# Altium PCB OctopusPB_r0102.PcbDoc (part 1 of 10)
Units mm, origin at the board's own origin, x right, y up, seen from the top; angles counter-clockwise.
Board outline 318 x 80 mm, 4 copper layers (Top Layer, Layer 1, Layer 2, Bottom Layer), stack 1.62 mm thick; 806 components, 346 nets, 2957 pads, 6733 vias.
Unrouted connection lines stored in the file: 1143.
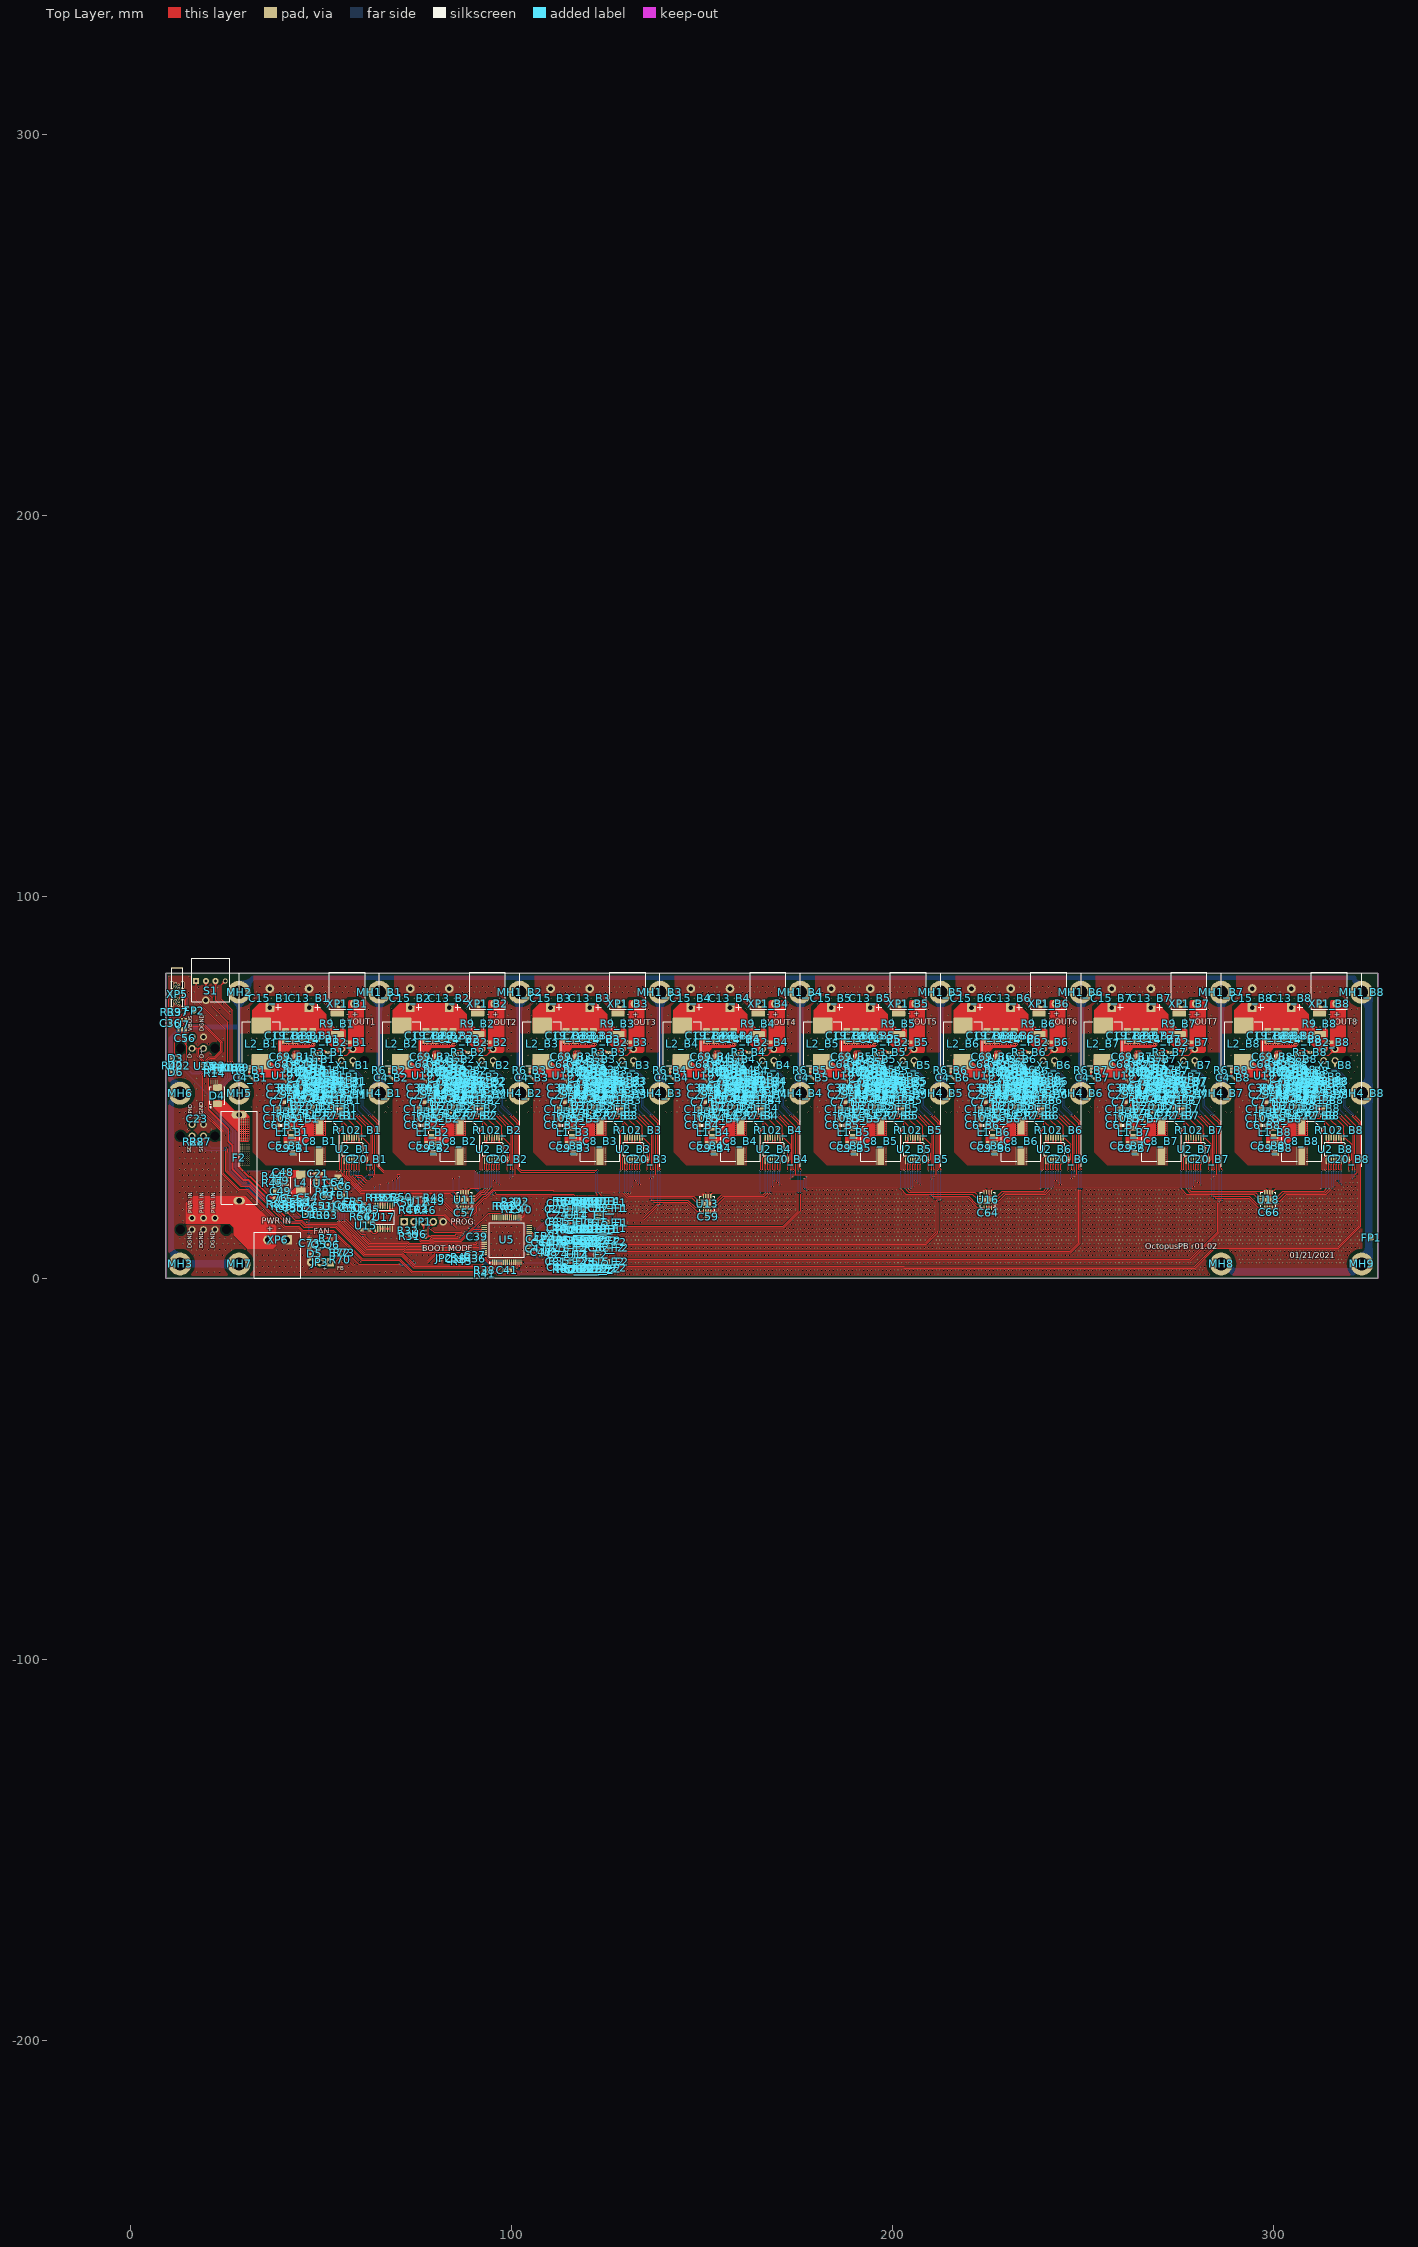
[diagram p0: Top Layer view]
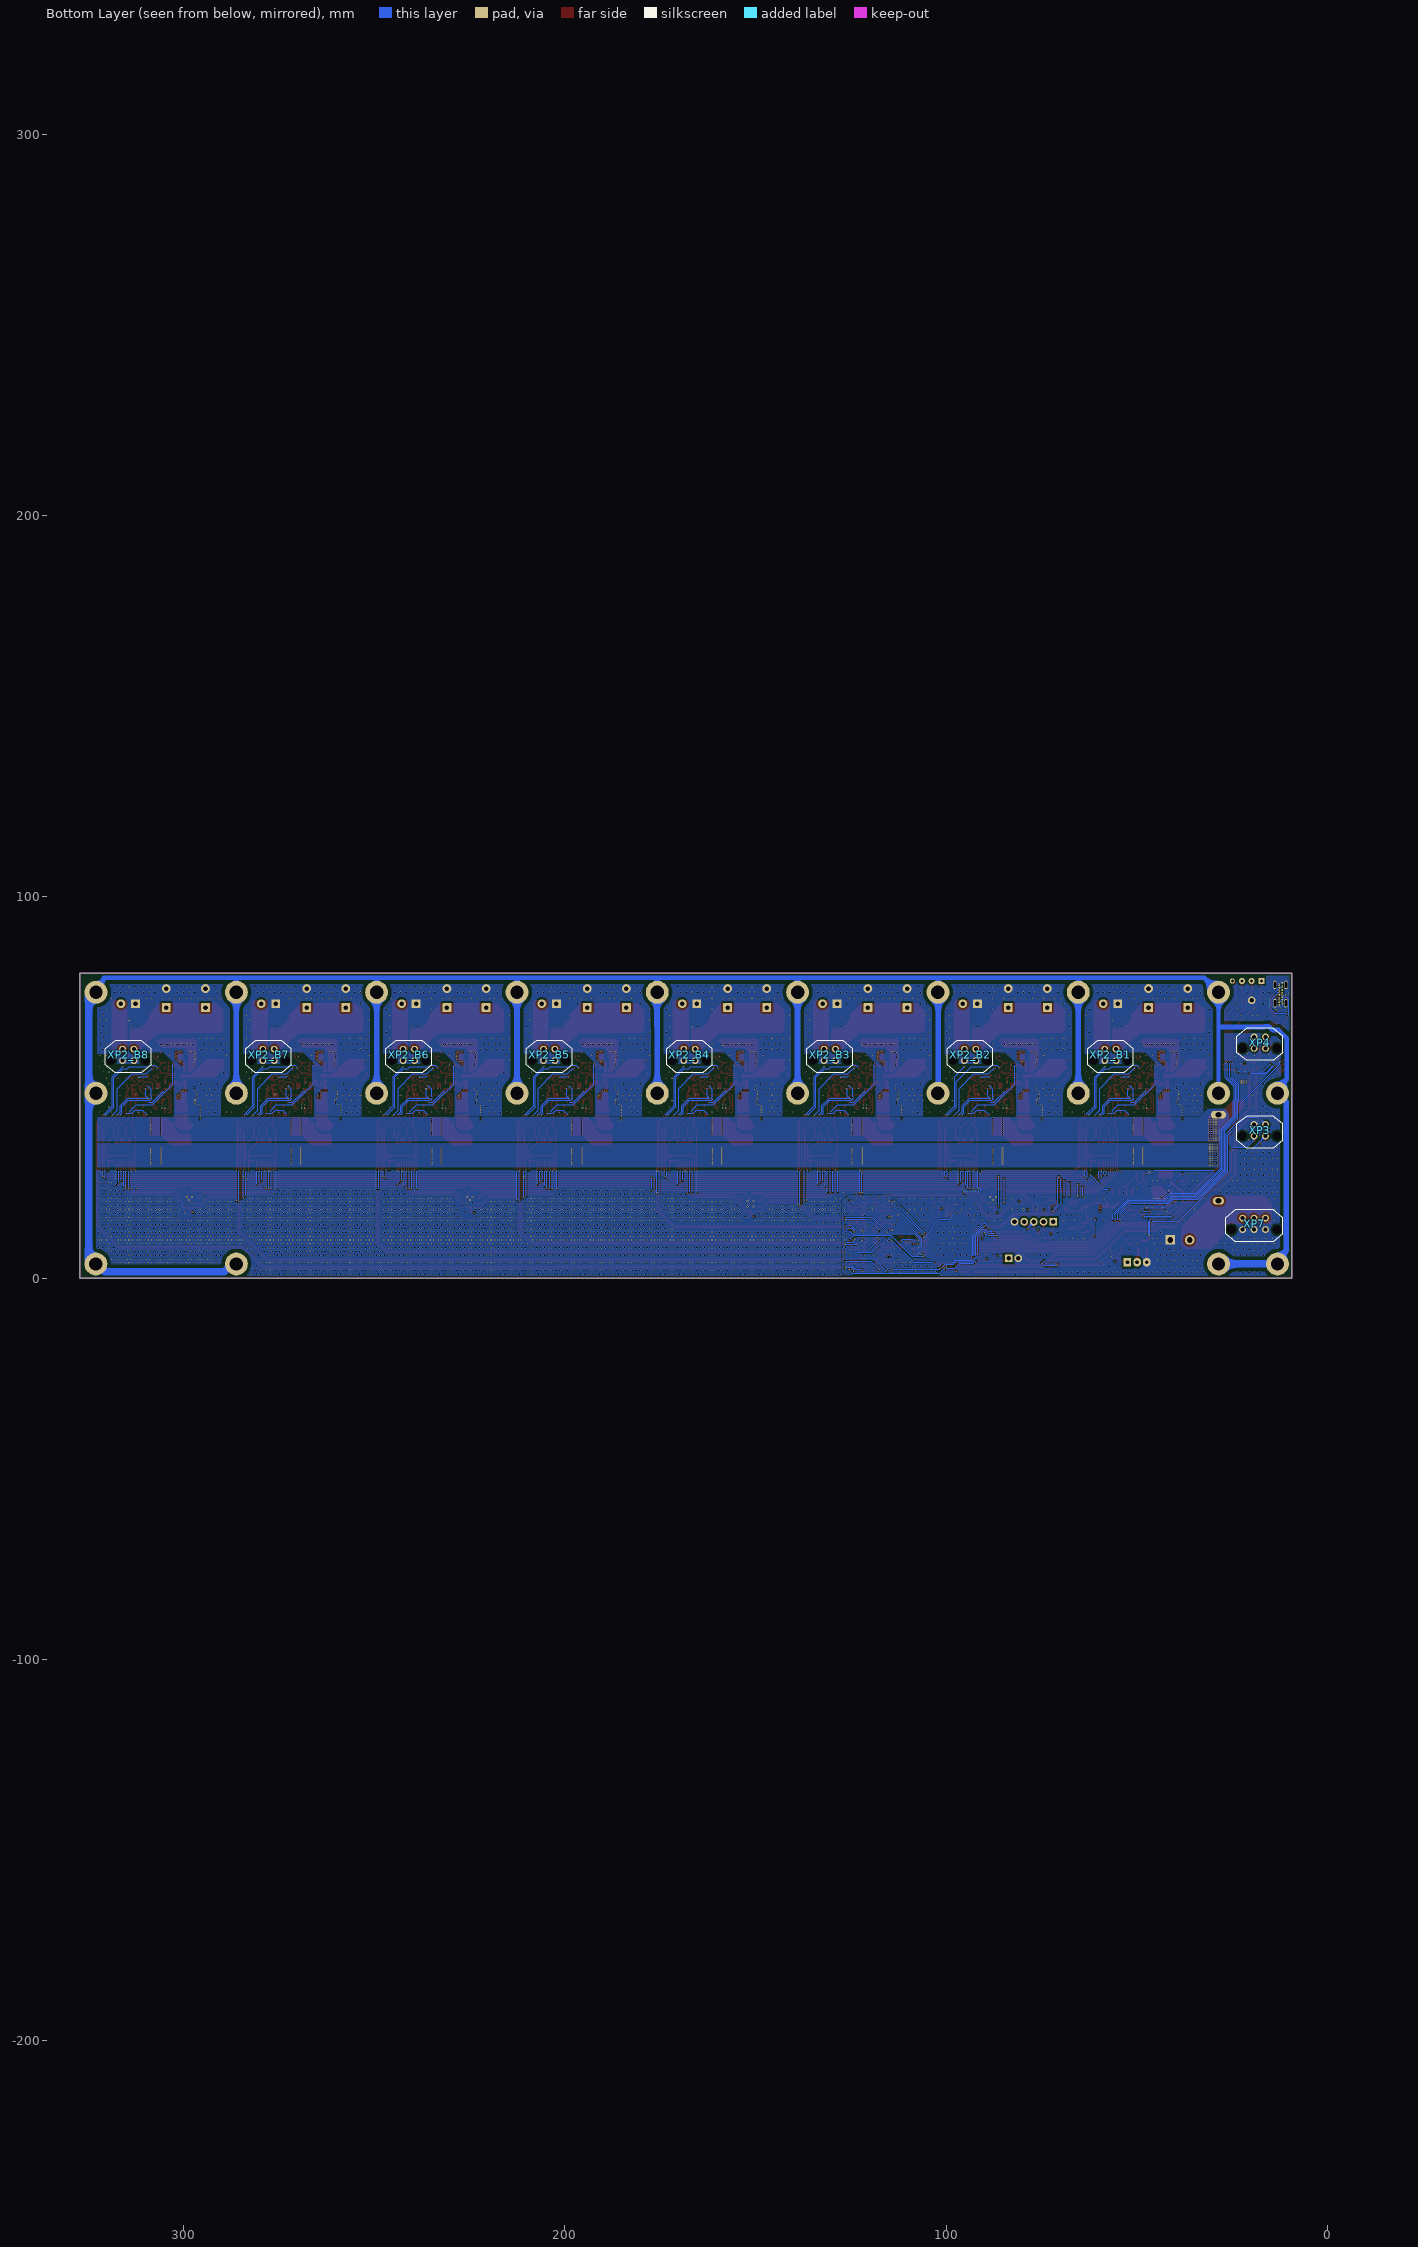
[diagram p1: Bottom Layer view, seen from below]
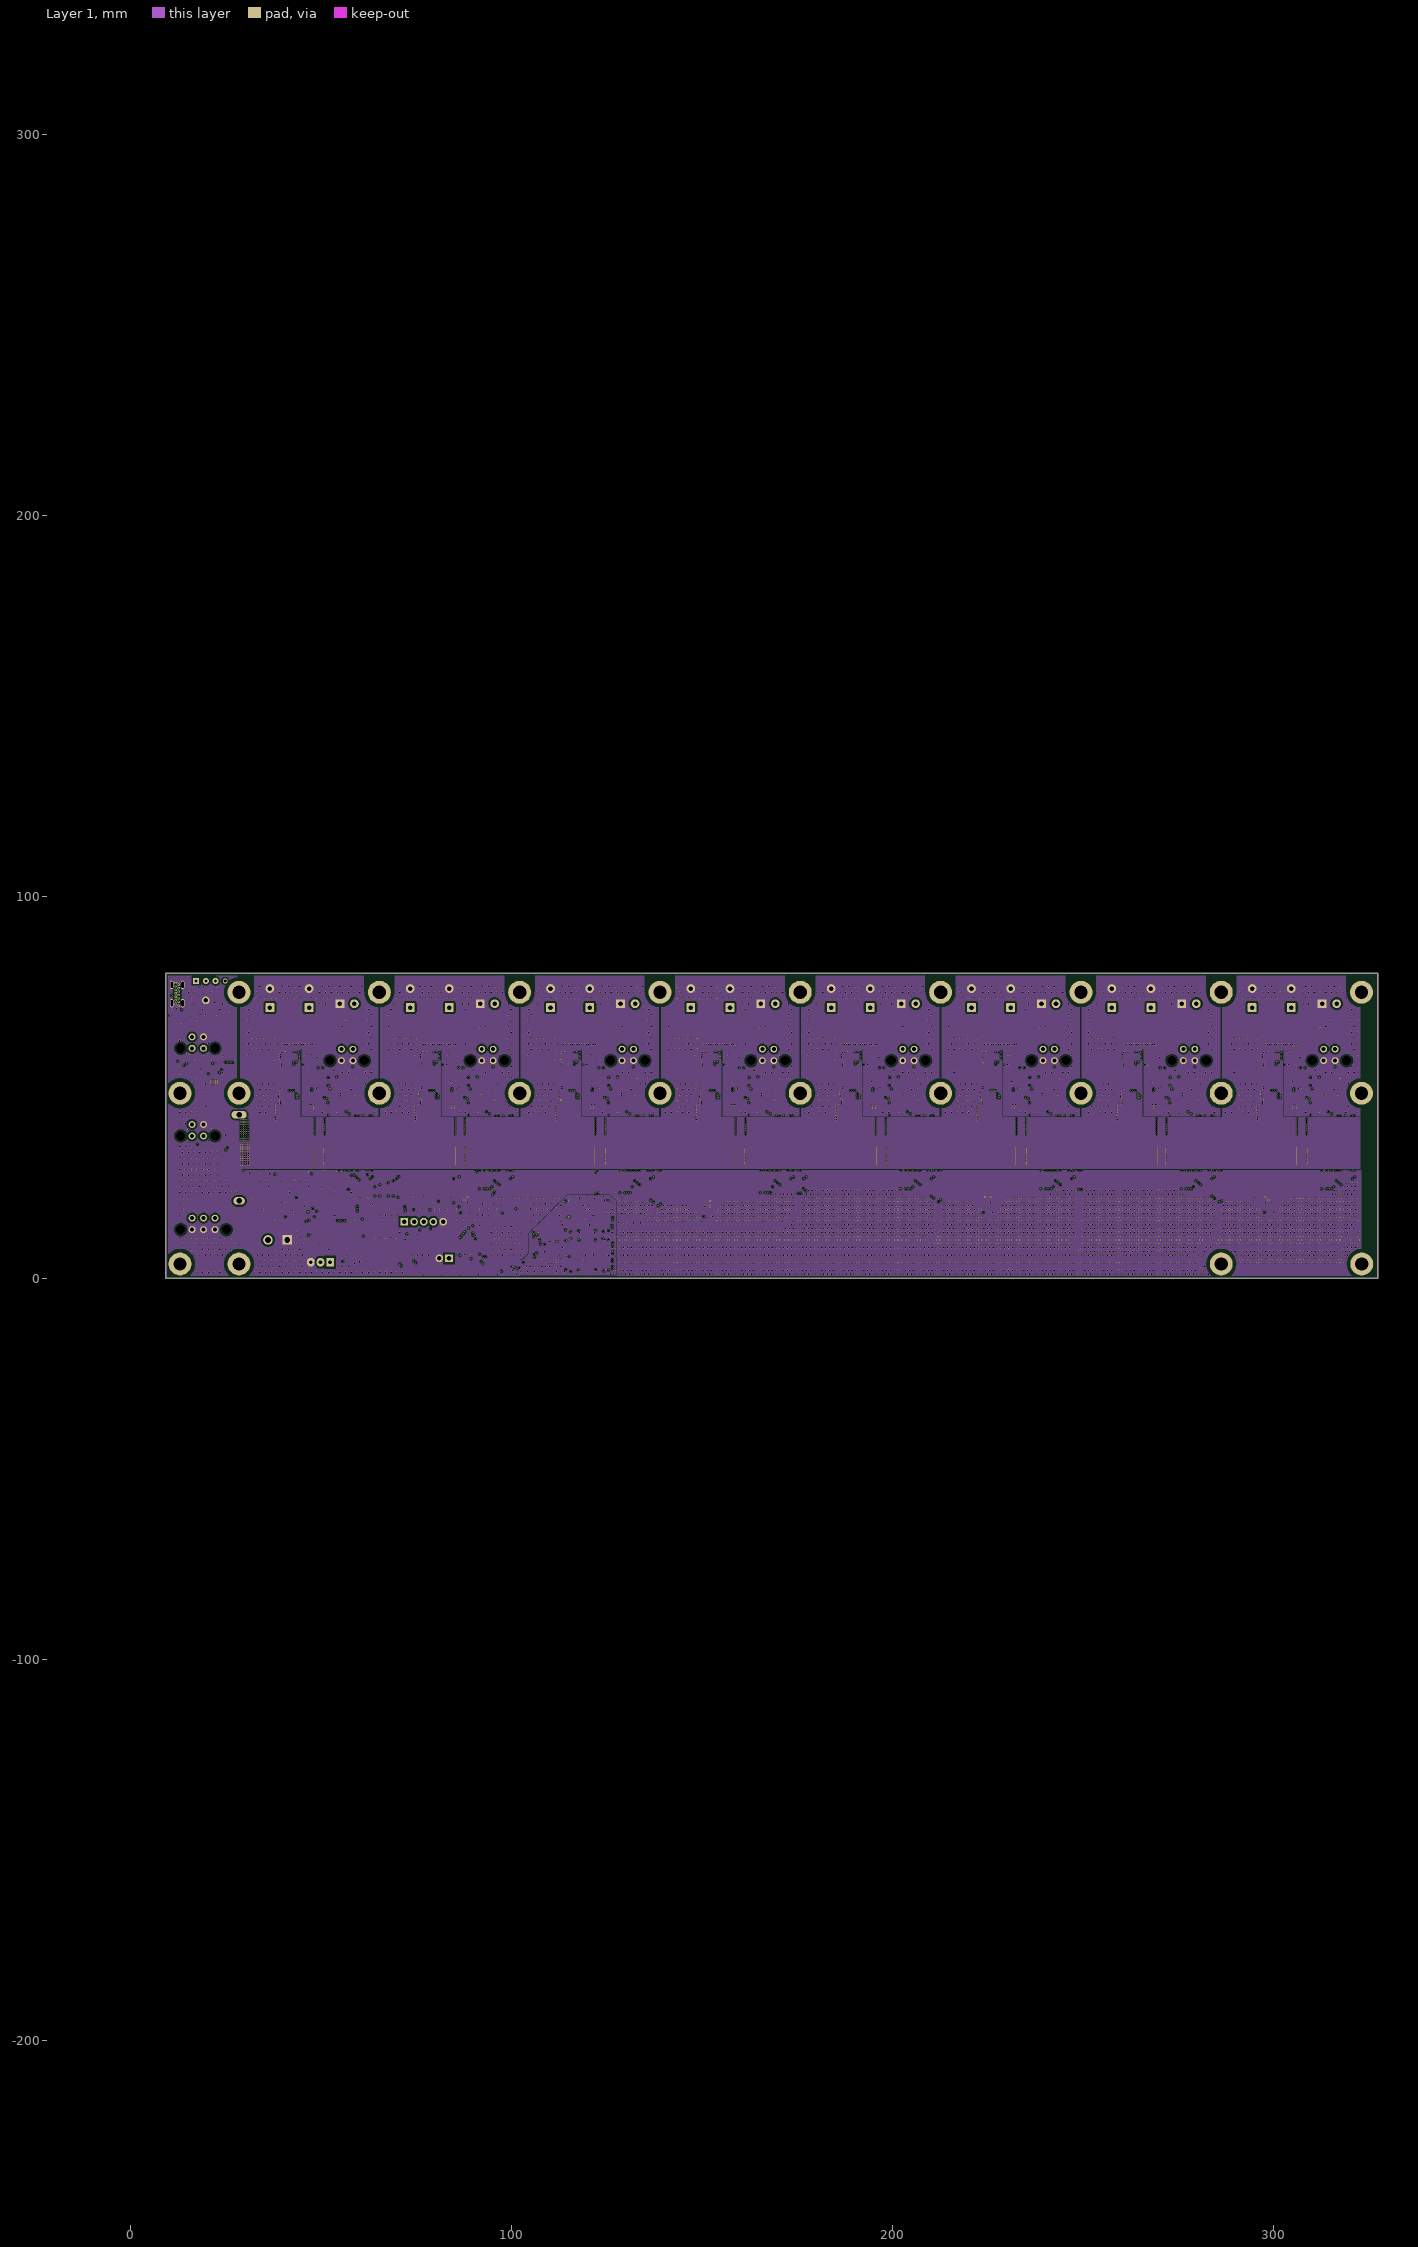
[diagram p2: Layer 1]
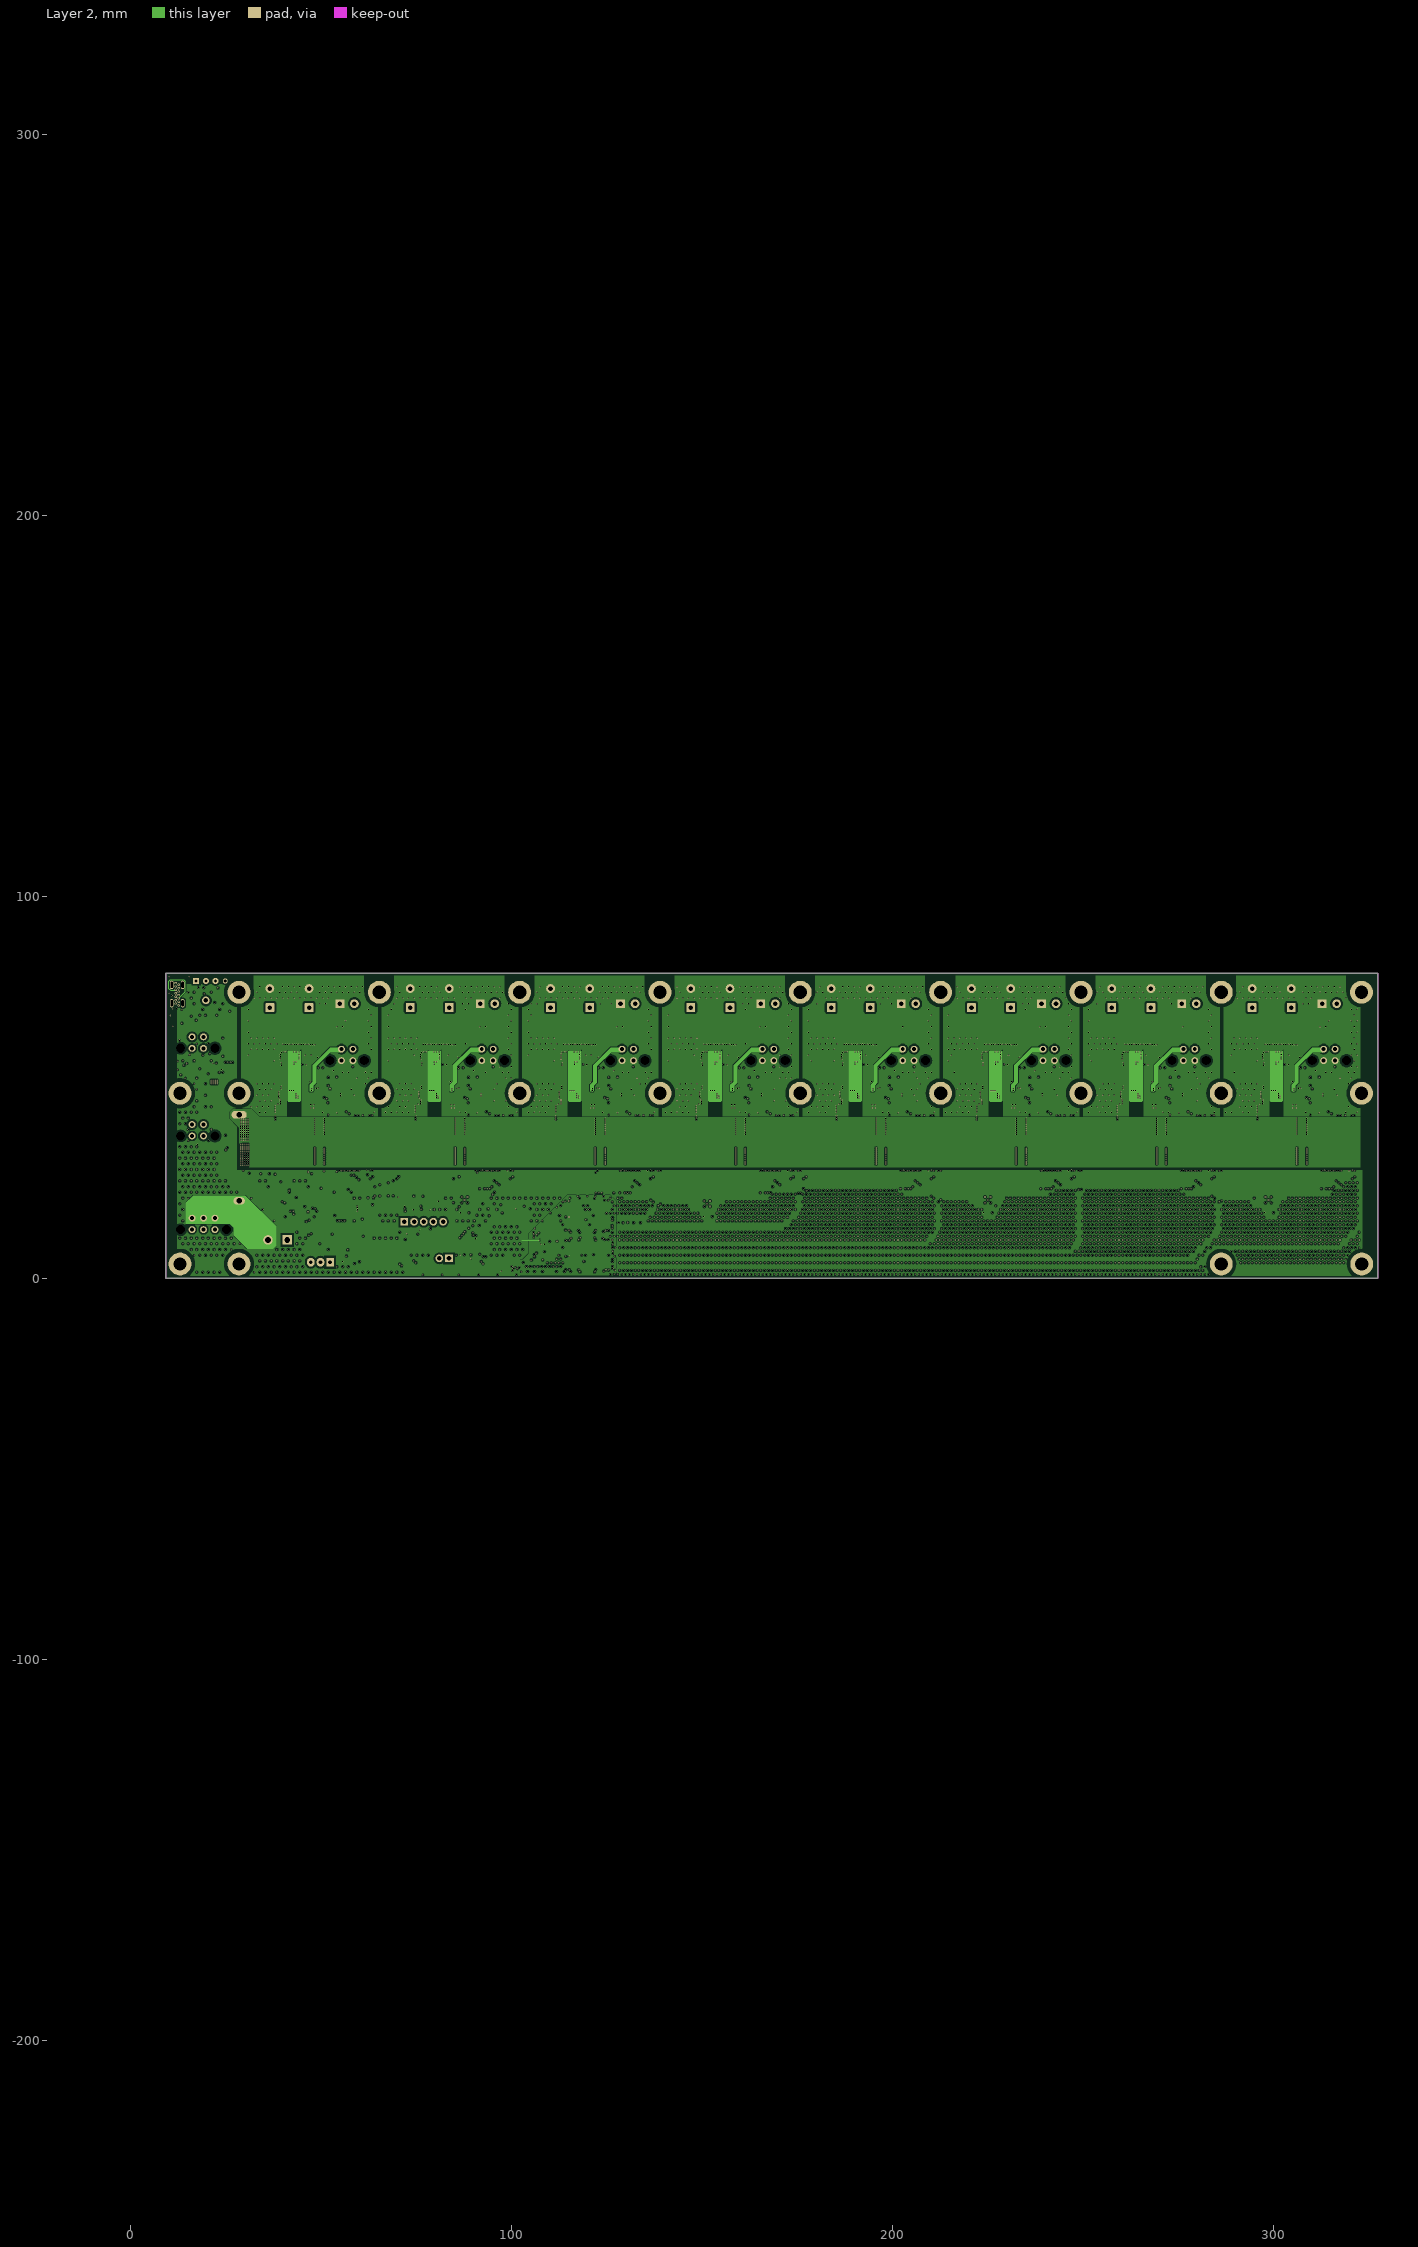
[diagram p3: Layer 2]

## Layer stack, top to bottom
Top Solder: solder mask 0.0102, Solder Resist, Dk 3.5
Top Layer: signal copper 0.07
Dielectric 4: prepreg 0.11, PCL-370HR, Dk 4.29
Layer 1: signal copper 0.03
Dielectric 1: core 1.2, Core-009, Dk 4.29
Layer 2: signal copper 0.03
Dielectric 5: prepreg 0.11, PCL-370HR, Dk 4.29
Bottom Layer: signal copper 0.07
Bottom Solder: solder mask 0.0102, Solder Resist, Dk 3.5

## Board outline
9.3,0 327.3,0 327.3,80 9.3,80

## Design rules (kind name [scope] priority, off if disabled: settings)
Clearance Clearance_KeepOut [OnLayer('Keep-Out Layer')] p1: gap=0.5 ignorepadtopadclearanceinfootprint=FALSE
Clearance Clearance_FP [InComponent('FP1') or InComponent('FP2')] p2: gap=0.5 ignorepadtopadclearanceinfootprint=FALSE
Clearance Clearance_Earth_NoNet [InNet('EARTH') vs IsPad and not InAnyNet and (InComponent('XP3') or InComponent('XP4') or  InComponent('XP7'))] p3: gap=0.2 ignorepadtopadclearanceinfootprint=FALSE
Clearance Clearance_Earth [InNet('EARTH') vs not InNet('EARTH')] p4: gap=1 ignorepadtopadclearanceinfootprint=FALSE
Clearance Clearance_ShortCircuit_NETsConnector [InComponentClass('NETsConnector') vs InComponentClass('NETsConnector')] p5: gap=0 ignorepadtopadclearanceinfootprint=FALSE
Clearance Clearance_USB [InNet('CUSB_D_N') vs InNet('VBUS_CUSB') or InNet('NetR39_2')] p6: gap=0.1 ignorepadtopadclearanceinfootprint=FALSE
Clearance Clearance_Polygon_HF_Trace [InNetClass('HF_TRACE') or InDifferentialPairClass('All Differential Pairs') vs InPolygon] p7 off: gap=0.7 ignorepadtopadclearanceinfootprint=FALSE
Clearance Clearance_Polygon [InNet('15-26VIN') or InNet('15-26VIN_F') or InNetClass('VOUT[1..8]') or InNetClass('VOUT_SHUNT[1..8]') or IsThruPin vs InPolygon and not InNet('AGND')] p8: gap=0.5 ignorepadtopadclearanceinfootprint=FALSE
Clearance [All] p9: gap=0.2 ignorepadtopadclearanceinfootprint=FALSE
ComponentClearance "ComponentClearance_to 3D models" [InComponentClass('TouchingGeneric') vs HasGenericStepModel] p1: gap=-10 collisioncheckmode=3 verticalgap=-20 showdistances=FALSE
ComponentClearance ComponentClearance__S1_FP [InComponent('S1') vs InComponent('MH2')] p2: gap=-1 collisioncheckmode=3 verticalgap=-20 showdistances=FALSE
ComponentClearance ComponentClearance_X3 [All vs InComponent('X3')] p3: gap=-10 collisioncheckmode=3 verticalgap=-10 showdistances=FALSE
ComponentClearance [All] p4: gap=0.2 collisioncheckmode=3 verticalgap=0.254 showdistances=FALSE
DiffPairsRouting DiffPairsRouting_USB [InDifferentialPairClass('All Differential Pairs')] p1: maxlimit=1 minlimit=0.2 mostfreqgap=0.2 toplayer_minwidth=0.1 toplayer_maxwidth=0.22 toplayer_prefwidth=0.21 midlayer1_minwidth=0.1 midlayer1_maxwidth=0.22 midlayer1_prefwidth=0.21 midlayer2_minwidth=0.1 midlayer2_maxwidth=0.22 midlayer2_prefwidth=0.21 bottomlayer_minwidth=0.1 bottomlayer_maxwidth=0.22 bottomlayer_prefwidth=0.21 maxuncoupledlength=12.7
DiffPairsRouting [All] p2: maxlimit=0.254 minlimit=0.2 mostfreqgap=0.254 toplayer_minwidth=0.2 toplayer_maxwidth=0.381 toplayer_prefwidth=0.381 midlayer1_minwidth=0.2 midlayer1_maxwidth=0.381 midlayer1_prefwidth=0.381 midlayer2_minwidth=0.2 midlayer2_maxwidth=0.381 midlayer2_prefwidth=0.381 bottomlayer_minwidth=0.2 bottomlayer_maxwidth=0.381 bottomlayer_prefwidth=0.381 maxuncoupledlength=12.7
PolygonConnect PolygonConnect_isvia [isvia] p1: connectstyle=Direct reliefconductorwidth=0.254 reliefentries=4 polygonreliefangle="90 Angle" airgapwidth=0.254
PolygonConnect PolygonConnect_VOUT [InNetClass('PWR_CH') and not (HasFootprint('rc0402M') or HasFootprint('cc0402m'))] p2: connectstyle=Direct reliefconductorwidth=0.254 reliefentries=4 polygonreliefangle="90 Angle" airgapwidth=0.254
PolygonConnect PolygonConnect_GNDA_0603 [IsPolygon vs InComponent(c43)  or HasFootprint('NETs_CONNECTOR')] p3: connectstyle=Direct reliefconductorwidth=0.254 reliefentries=4 polygonreliefangle="90 Angle" airgapwidth=0.254
PolygonConnect [All] p4: connectstyle=Relief reliefconductorwidth=0.254 reliefentries=4 polygonreliefangle="90 Angle" airgapwidth=0.254
RoomDefinition F1 [InComponentClass('F1')] p1: confinementstyle=ConfineIn formatcopy=TRUE lockcomponents=TRUE outline 113.4,11.68 126.125,11.68 126.125,21.205 113.4,21.205
RoomDefinition B2 [InComponentClass('B2')] p2: confinementstyle=ConfineIn formatcopy=TRUE lockcomponents=FALSE outline 65.3,29.45 102.125,29.45 102.125,80 65.3,80
RoomDefinition F2 [InComponentClass('F2')] p3: confinementstyle=ConfineIn formatcopy=TRUE lockcomponents=FALSE outline 113.45,1.33 126.175,1.33 126.175,10.855 113.45,10.855
RoomDefinition B1 [InComponentClass('B1')] p4: confinementstyle=ConfineIn formatcopy=FALSE lockcomponents=FALSE outline 28.475,29.45 65.3,29.45 65.3,80 28.475,80
RoomDefinition B3 [InComponentClass('B3')] p5: confinementstyle=ConfineIn formatcopy=TRUE lockcomponents=FALSE outline 102.125,29.45 138.95,29.45 138.95,80 102.125,80
RoomDefinition B4 [InComponentClass('B4')] p6: confinementstyle=ConfineIn formatcopy=TRUE lockcomponents=FALSE outline 138.95,29.45 175.775,29.45 175.775,80 138.95,80
RoomDefinition B5 [InComponentClass('B5')] p7: confinementstyle=ConfineIn formatcopy=TRUE lockcomponents=FALSE outline 175.775,29.45 212.6,29.45 212.6,80 175.775,80
RoomDefinition B6 [InComponentClass('B6')] p8: confinementstyle=ConfineIn formatcopy=TRUE lockcomponents=FALSE outline 212.6,29.45 249.425,29.45 249.425,80 212.6,80
RoomDefinition B7 [InComponentClass('B7')] p9: confinementstyle=ConfineIn formatcopy=TRUE lockcomponents=FALSE outline 249.425,29.45 286.25,29.45 286.25,80 249.425,80
RoomDefinition B8 [InComponentClass('B8')] p10: confinementstyle=ConfineIn formatcopy=TRUE lockcomponents=FALSE outline 286.25,29.45 323.075,29.45 323.075,80 286.25,80
RoutingVias [All] p1: holewidth=0.711 width=1.27 viastyle="Through Hole" minholewidth=0.2 minwidth=0.4 maxholewidth=0.711 maxwidth=1.27
ShortCircuit ShortCircuit_NETsConnector [InComponentClass('NETsConnector') vs InComponentClass('NETsConnector')] p1: allowed=TRUE
ShortCircuit [All] p2: allowed=FALSE
SilkToSilkClearance [All] p1: silktosilkclearance=0.1
SilkToSolderMaskClearance [IsPad] p1: minsilkscreentomaskgap=0.05 clearancetoexposedcopper=TRUE
SolderMaskExpansion [All] p1: expansion=0.102
Width Width_USB [InNet('CUSB_D_N')] p1 off: maxlimit=0.254 minlimit=0.1 preferedwidth=0.2
Width [All] p2: maxlimit=2 minlimit=0.2 preferedwidth=0.254 toplayer_maxwidth=1 midlayer1_maxwidth=1 midlayer2_maxwidth=1 minimp=50.000000 maximp=50.000000 favimp=50.000000
25 further rules are at their usual default settings.

## Classes and differential pairs
net class VOUT_SH_BUF[1..8]: VOUT_SH_BUF1 VOUT_SH_BUF2 VOUT_SH_BUF3 VOUT_SH_BUF4 VOUT_SH_BUF5 VOUT_SH_BUF6 VOUT_SH_BUF7 VOUT_SH_BUF8
net class BUCK_CTRL_C[1..8]: BUCK_CTRL_C1 BUCK_CTRL_C2 BUCK_CTRL_C3 BUCK_CTRL_C4 BUCK_CTRL_C5 BUCK_CTRL_C6 BUCK_CTRL_C7 BUCK_CTRL_C8
net class BUCK_CTRL_B[1..8]: BUCK_CTRL_B1 BUCK_CTRL_B2 BUCK_CTRL_B3 BUCK_CTRL_B4 BUCK_CTRL_B5 BUCK_CTRL_B6 BUCK_CTRL_B7 BUCK_CTRL_B8
net class HF_TRACE: BUCK_EN_B1 BUCK_EN_B2 BUCK_EN_B3 BUCK_EN_B4 BUCK_EN_B5 BUCK_EN_B6 BUCK_EN_B7 BUCK_EN_B8 CLK_1MHz CLK_2MHz CLK_250kHz CLK_500kHz NetR4_B1_1 NetR4_B2_1 NetR4_B3_1 NetR4_B4_1 NetR4_B5_1 NetR4_B6_1 NetR4_B7_1 NetR4_B8_1
component class TouchingGeneric: F1 XP1_B1 XP1_B2 XP1_B3 XP1_B4 XP1_B5 XP1_B6 XP1_B7 XP1_B8 XP2_B1 XP2_B2 XP2_B3 XP2_B4 XP2_B5 XP2_B6 XP2_B7 XP2_B8 XP3 XP4 XP5 XP6
component class NETsConnector: X1_B1 X1_B2 X1_B3 X1_B4 X1_B5 X1_B6 X1_B7 X1_B8 X3
net class PGND_ADC[1..8]: PGND_ADC1 PGND_ADC2 PGND_ADC3 PGND_ADC4 PGND_ADC5 PGND_ADC6 PGND_ADC7 PGND_ADC8
net class DANGER_OV_SNS[1..8]: DANGER_OV_SNS1 DANGER_OV_SNS2 DANGER_OV_SNS3 DANGER_OV_SNS4 DANGER_OV_SNS5 DANGER_OV_SNS6 DANGER_OV_SNS7 DANGER_OV_SNS8
net class BUCK_CTRL_A[1..8]: BUCK_CTRL_A1 BUCK_CTRL_A2 BUCK_CTRL_A3 BUCK_CTRL_A4 BUCK_CTRL_A5 BUCK_CTRL_A6 BUCK_CTRL_A7 BUCK_CTRL_A8
component class F2: C24_F2 C25_F2 C58_F2 C67_F2 C78_F2 C79_F2 C80_F2 C81_F2 C82_F2 C86_F2 C87_F2 C88_F2 C89_F2 R15_F2 R16_F2 R18_F2 R19_F2 R22_F2 R35_F2 R53_F2 R56_F2 R57_F2 R60_F2 R61_F2 R62_F2 R63_F2 R75_F2 R76_F2 R77_F2 U14_F2
component class F1: C24_F1 C25_F1 C58_F1 C67_F1 C78_F1 C79_F1 C80_F1 C81_F1 C82_F1 C86_F1 C87_F1 C88_F1 C89_F1 R15_F1 R16_F1 R18_F1 R19_F1 R22_F1 R35_F1 R53_F1 R56_F1 R57_F1 R60_F1 R61_F1 R62_F1 R63_F1 R75_F1 R76_F1 R77_F1 U14_F1
component class PWR_USB: C3 C4 C5 C6 C21 C36 C48 C49 C50 C51 C52 C53 C54 C55 C56 C75 C76 C83 D1 D3 D4 D6 D7 F1 F2 FB1 FB4 L4 R1 R2 R14 R17 R37 R39 R40 R44 R45 R64 R82 R86 U1 U7 U9 U10 U22 U25 U26 XP4 XP5 XP6 XP7
channel class VoltageFeedbackSwitch: F1 F2 S2 S3 S4 S6 S7 S8
net class PGND_ADC: PGND_ADC1 PGND_ADC2 PGND_ADC3 PGND_ADC4 PGND_ADC5 PGND_ADC6 PGND_ADC7 PGND_ADC8
net class PWR_CH: 3V3 19V 20-26VIN_F BUCK_EN_B1 BUCK_EN_B2 BUCK_EN_B3 BUCK_EN_B4 BUCK_EN_B5 BUCK_EN_B6 BUCK_EN_B7 BUCK_EN_B8 DAC_OUT_B1 DAC_OUT_B2 DAC_OUT_B3 DAC_OUT_B4 DAC_OUT_B5 DAC_OUT_B6 DAC_OUT_B7 DAC_OUT_B8 DAC_VDD_B1 DAC_VDD_B2 DAC_VDD_B3 DAC_VDD_B4 DAC_VDD_B5 DAC_VDD_B6 DAC_VDD_B7 DAC_VDD_B8 DANGER_OV_SNS1 DANGER_OV_SNS2 DANGER_OV_SNS3 DANGER_OV_SNS4 DANGER_OV_SNS5 DANGER_OV_SNS6 DANGER_OV_SNS7 DANGER_OV_SNS8 DGND FB_B1 FB_B2 FB_B3 FB_B4 FB_B5 FB_B6 FB_B7 FB_B8 I2C0_SCL I2C0_SDA I2C1_SCL I2C1_SDA NetC2_B1_1 NetC2_B2_1 NetC2_B3_1 NetC2_B4_1 NetC2_B5_1 NetC2_B6_1 NetC2_B7_1 NetC2_B8_1 NetC4_B1_1 NetC4_B2_1 NetC4_B3_1 NetC4_B4_1 NetC4_B5_1 NetC4_B6_1 NetC4_B7_1 NetC4_B8_1 NetC6_B1_1 NetC6_B2_1 NetC6_B3_1 NetC6_B4_1 NetC6_B5_1 NetC6_B6_1 NetC6_B7_1 NetC6_B8_1 NetC26_B1_1 NetC26_B2_1 NetC26_B3_1 NetC26_B4_1 NetC26_B5_1 NetC26_B6_1 NetC26_B7_1 NetC26_B8_1 NetC71_B1_2 NetC71_B2_2 NetC71_B3_2 NetC71_B4_2 NetC71_B5_2 NetC71_B6_2 NetC71_B7_2 NetC71_B8_2 NetC72_B1_1 NetC72_B2_1 NetC72_B3_1 NetC72_B4_1 NetC72_B5_1 NetC72_B6_1 NetC72_B7_1 NetC72_B8_1 NetC77_B1_1 NetC77_B2_1 NetC77_B3_1 NetC77_B4_1 NetC77_B5_1 NetC77_B6_1 NetC77_B7_1 NetC77_B8_1 NetR3_B1_1 NetR3_B2_1 NetR3_B3_1 NetR3_B4_1 NetR3_B5_1 NetR3_B6_1 NetR3_B7_1 NetR3_B8_1 NetR4_B1_1 NetR4_B2_1 NetR4_B3_1 NetR4_B4_1 NetR4_B5_1 NetR4_B6_1 NetR4_B7_1 NetR4_B8_1 NetR8_B1_1 NetR8_B2_1 NetR8_B3_1 NetR8_B4_1 NetR8_B5_1 NetR8_B6_1 NetR8_B7_1 NetR8_B8_1 NetR10_B1_1 NetR10_B2_1 NetR10_B3_1 NetR10_B4_1 NetR10_B5_1 NetR10_B6_1 NetR10_B7_1 NetR10_B8_1 NetR23_B1_1 NetR23_B2_1 NetR23_B3_1 NetR23_B4_1 NetR23_B5_1 NetR23_B6_1 NetR23_B7_1 NetR23_B8_1 NetR59_B1_1 NetR59_B2_1 NetR59_B3_1 NetR59_B4_1 NetR59_B5_1 NetR59_B6_1 NetR59_B7_1 NetR59_B8_1 NetR65_B1_1 NetR65_B2_1 NetR65_B3_1 NetR65_B4_1 NetR65_B5_1 NetR65_B6_1 NetR65_B7_1 NetR65_B8_1 NetR66_B1_2 NetR66_B2_2 NetR66_B3_2 NetR66_B4_2 NetR66_B5_2 NetR66_B6_2 NetR66_B7_2 NetR66_B8_2 NetU21_B1_4 NetU21_B2_4 NetU21_B3_4 NetU21_B4_4 NetU21_B5_4 NetU21_B6_4 NetU21_B7_4 NetU21_B8_4 PGND_ADC1 PGND_ADC2 PGND_ADC3 PGND_ADC4 PGND_ADC5 PGND_ADC6 PGND_ADC7 PGND_ADC8 PH_B1 PH_B2 PH_B3 PH_B4 PH_B5 PH_B6 PH_B7 PH_B8 PVIN_B1 PVIN_B2 PVIN_B3 PVIN_B4 PVIN_B5 PVIN_B6 PVIN_B7 PVIN_B8 VOUT_B1 VOUT_B2 VOUT_B3 VOUT_B4 VOUT_B5 VOUT_B6 VOUT_B7 VOUT_B8 VOUT_SH_BUF1 VOUT_SH_BUF2 VOUT_SH_BUF3 VOUT_SH_BUF4 VOUT_SH_BUF5 VOUT_SH_BUF6 VOUT_SH_BUF7 VOUT_SH_BUF8 VOUT_SHUNT_B1 VOUT_SHUNT_B2 VOUT_SHUNT_B3 VOUT_SHUNT_B4 VOUT_SHUNT_B5 VOUT_SHUNT_B6 VOUT_SHUNT_B7 VOUT_SHUNT_B8 VREFIO_B1 VREFIO_B2 VREFIO_B3 VREFIO_B4 VREFIO_B5 VREFIO_B6 VREFIO_B7 VREFIO_B8